# KiCad board Sofle_Pico.kicad_pcb
date: 2024-01-08; rev: v3.5.4
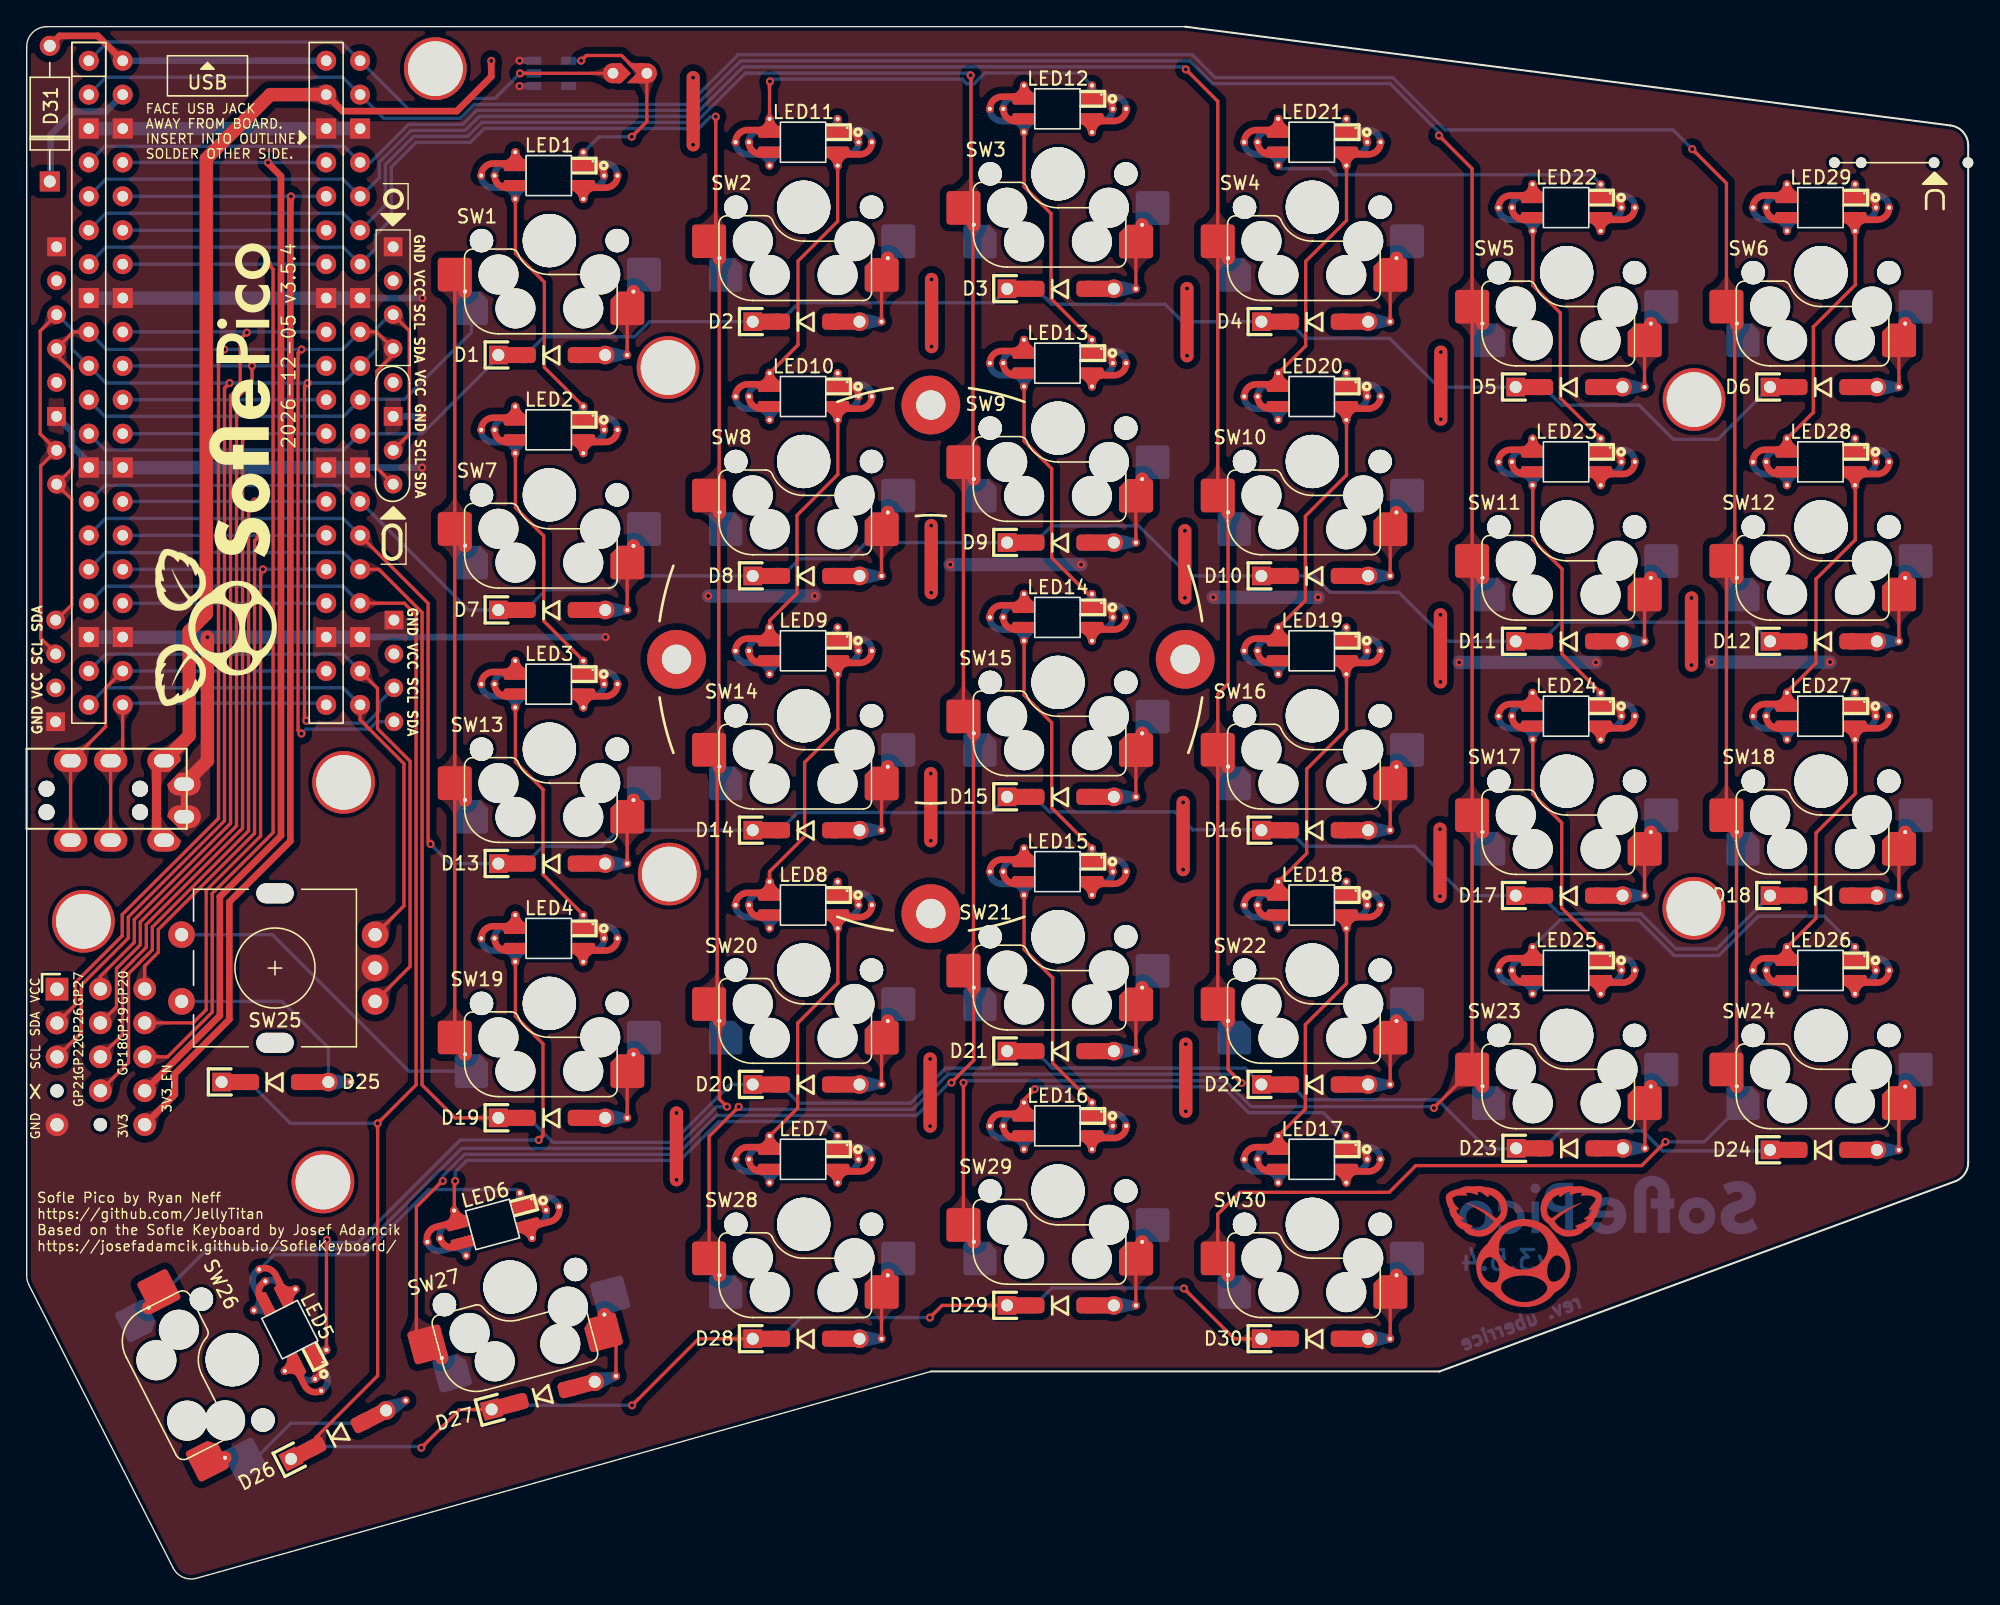
[diagram p0: board, top side]
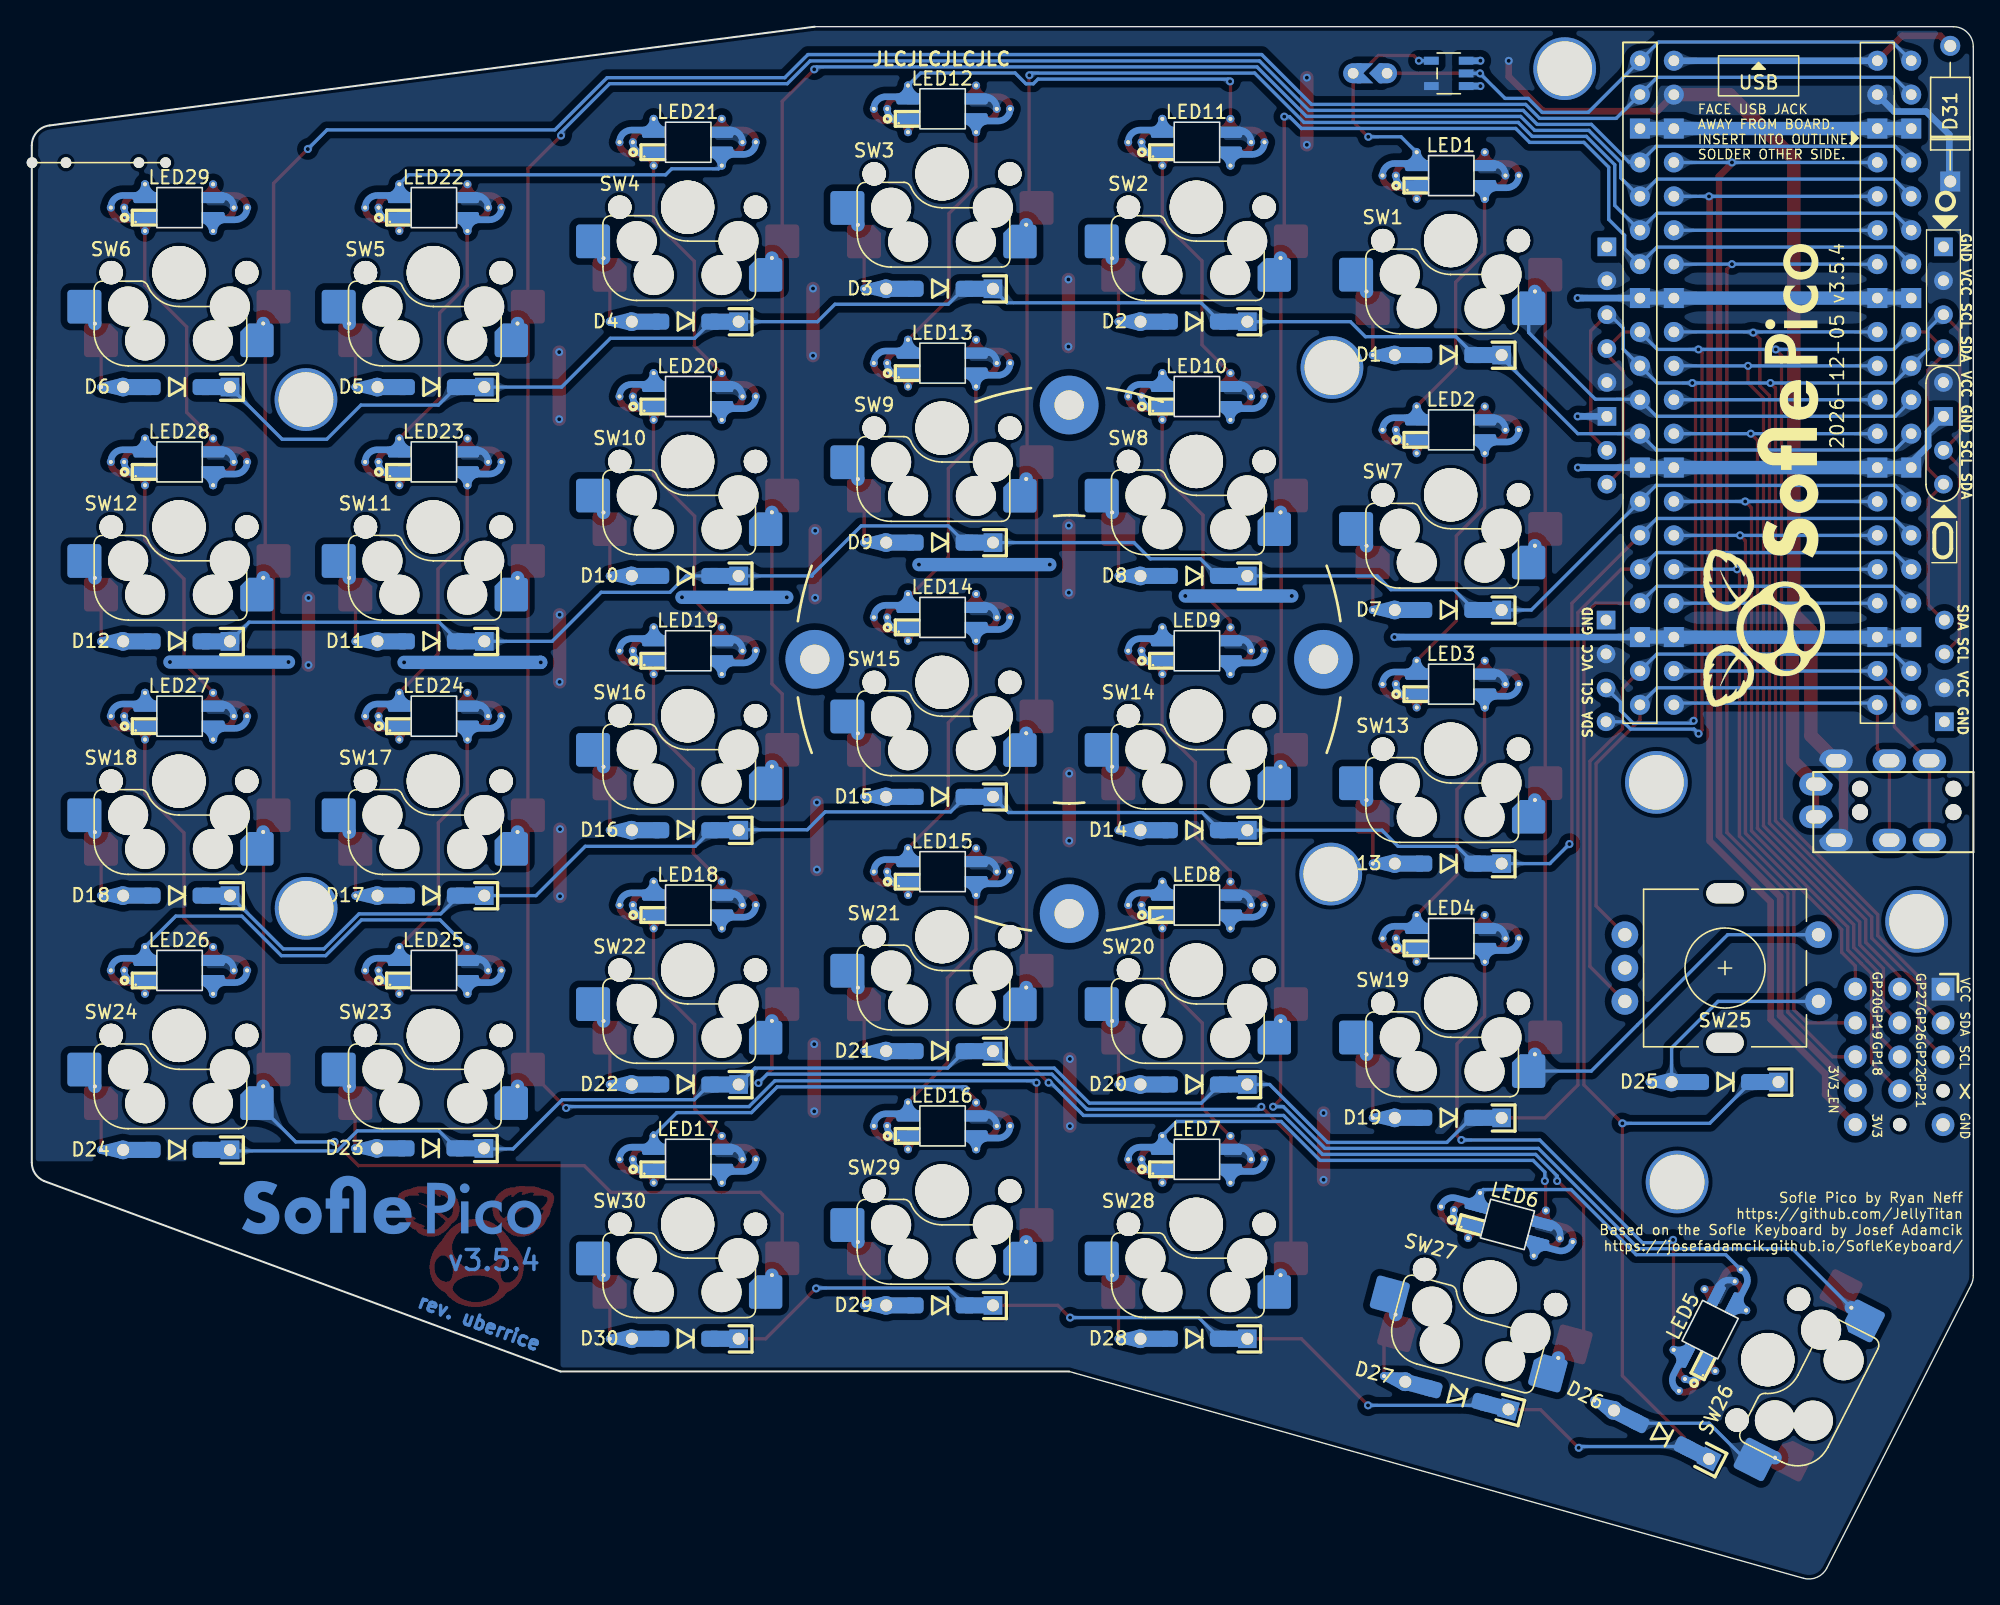
[diagram p1: board, bottom side, seen from below]

Outline 145.42 x 116.25 mm; copper layers: Top, Bottom. Coordinates in mm from the lower left corner of the outline.
Outline path: 0,114.75 0,22.69 arc(0.04,22.33) 0.16,21.98 10.97,0.77 arc(11.7,0.07) 12.71,0 67.72,15.5 105.82,15.5 144.52,29.77 arc(145.17,30.32) 145.42,31.15 145.42,107.35 arc(145.04,108.35) 144.09,108.85 86.77,116.25 1.5,116.25 arc(0.44,115.81) 0,114.75
Stack: Top 0.035mm / dielectric 1.51mm FR4 er 4.5 / Bottom 0.035mm

## Placement (name value [footprint] x y rotation side)
D1  D  [D_SOD-123_DO-35_Hybrid_DoubleSided_V2]  39.33 91.65 0 bottom
D2  D  [D_SOD-123_DO-35_Hybrid_DoubleSided_V2]  58.38 94.15 0 bottom
D3  D  [D_SOD-123_DO-35_Hybrid_DoubleSided_V2]  77.43 96.61 0 bottom
D4  D  [D_SOD-123_DO-35_Hybrid_DoubleSided_V2]  96.48 94.15 0 bottom
D5  D  [D_SOD-123_DO-35_Hybrid_DoubleSided_V2]  115.53 89.25 0 bottom
D6  D  [D_SOD-123_DO-35_Hybrid_DoubleSided_V2]  134.58 89.25 0 bottom
D7  D  [D_SOD-123_DO-35_Hybrid_DoubleSided_V2]  39.33 72.55 0 bottom
D8  D  [D_SOD-123_DO-35_Hybrid_DoubleSided_V2]  58.38 75.1 0 bottom
D9  D  [D_SOD-123_DO-35_Hybrid_DoubleSided_V2]  77.43 77.6 0 bottom
D10  D  [D_SOD-123_DO-35_Hybrid_DoubleSided_V2]  96.48 75.1 0 bottom
D11  D  [D_SOD-123_DO-35_Hybrid_DoubleSided_V2]  115.53 70.2 0 bottom
D12  D  [D_SOD-123_DO-35_Hybrid_DoubleSided_V2]  134.58 70.2 0 bottom
D13  D  [D_SOD-123_DO-35_Hybrid_DoubleSided_V2]  39.33 53.55 0 bottom
D14  D  [D_SOD-123_DO-35_Hybrid_DoubleSided_V2]  58.38 56.05 0 bottom
D15  D  [D_SOD-123_DO-35_Hybrid_DoubleSided_V2]  77.43 58.55 0 bottom
D16  D  [D_SOD-123_DO-35_Hybrid_DoubleSided_V2]  96.48 56.05 0 bottom
D17  D  [D_SOD-123_DO-35_Hybrid_DoubleSided_V2]  115.53 51.15 0 bottom
D18  D  [D_SOD-123_DO-35_Hybrid_DoubleSided_V2]  134.58 51.15 0 bottom
D19  D  [D_SOD-123_DO-35_Hybrid_DoubleSided_V2]  39.33 34.5 0 bottom
D20  D  [D_SOD-123_DO-35_Hybrid_DoubleSided_V2]  58.38 37 0 bottom
D21  D  [D_SOD-123_DO-35_Hybrid_DoubleSided_V2]  77.43 39.5 0 bottom
D22  D  [D_SOD-123_DO-35_Hybrid_DoubleSided_V2]  96.48 37 0 bottom
D23  D  [D_SOD-123_DO-35_Hybrid_DoubleSided_V2]  115.56 32.21 0 bottom
D24  D  [D_SOD-123_DO-35_Hybrid_DoubleSided_V2]  134.58 32.1 0 bottom
D25  D  [D_SOD-123_DO-35_Hybrid_DoubleSided_V2]  18.6 37.18 0 bottom
D26  D  [D_SOD-123_DO-35_Hybrid_DoubleSided_V2]  23.35 10.76 27 bottom
D27  D  [D_SOD-123_DO-35_Hybrid_DoubleSided_V2]  38.68 13.69 15 bottom
D28  D  [D_SOD-123_DO-35_Hybrid_DoubleSided_V2]  58.38 17.95 0 bottom
D29  D  [D_SOD-123_DO-35_Hybrid_DoubleSided_V2]  77.43 20.45 0 bottom
D30  D  [D_SOD-123_DO-35_Hybrid_DoubleSided_V2]  96.48 17.95 0 bottom
D31  1N5817  [D_DO-41_SOD81_P10.16mm_Horizontal]  1.73 104.65 90 top
J1  Conn_01x05  [Pimaroni_PinHeader_1x05_P2.54mm_Vertical Sofle v3b]  2.27 44.14 0 top
J2  -  [MJ-4PP-9]  -0.01 59.15 90 top
J3  Conn_01x04  [OLED SSD1306 128x64]  14.81 95.95 270 top
J4  Conn_01x04  [Cirque tie in]  27.48 68.02 270 top
J5  Conn_01x05  [PinHeader_1x05_P2.54mm_Vertical_one-dead]  5.52 44.15 0 top
J6  Conn_01x05  [PinHeader_1x05_P2.54mm_Vertical]  8.84 44.15 0 top
J7  Conn_01x04  [Cirque tie in]  2.2 67.94 90 top
JP1  Level shifter bypass jumper  [Level Shifter Bypass Jumper]  45.18 112.76 0 top
LED1  SK6803 MINI-E  [SK6803_MINIE_v3.5.4]  39.13 105.09 180 bottom
LED2  SK6803 MINI-E  [SK6803_MINIE_v3.5.4]  39.13 86.04 180 bottom
LED3  SK6803 MINI-E  [SK6803_MINIE_v3.5.4]  39.13 66.99 180 bottom
LED4  SK6803 MINI-E  [SK6803_MINIE_v3.5.4]  39.13 47.94 180 bottom
LED5  SK6803 MINI-E  [SK6803_MINIE_v3.5.4]  19.72 18.6 117 bottom
LED6  SK6803 MINI-E  [SK6803_MINIE_v3.5.4]  34.92 26.52 195 bottom
LED7  SK6803 MINI-E  [SK6803_MINIE_v3.5.4]  58.18 31.39 180 bottom
LED8  SK6803 MINI-E  [SK6803_MINIE_v3.5.4]  58.18 50.44 180 bottom
LED9  SK6803 MINI-E  [SK6803_MINIE_v3.5.4]  58.18 69.49 180 bottom
LED10  SK6803 MINI-E  [SK6803_MINIE_v3.5.4]  58.18 88.54 180 bottom
LED11  SK6803 MINI-E  [SK6803_MINIE_v3.5.4]  58.18 107.59 180 bottom
LED12  SK6803 MINI-E  [SK6803_MINIE_v3.5.4]  77.23 110.09 180 bottom
LED13  SK6803 MINI-E  [SK6803_MINIE_v3.5.4]  77.23 91.04 180 bottom
LED14  SK6803 MINI-E  [SK6803_MINIE_v3.5.4]  77.23 71.99 180 bottom
LED15  SK6803 MINI-E  [SK6803_MINIE_v3.5.4]  77.23 52.94 180 bottom
LED16  SK6803 MINI-E  [SK6803_MINIE_v3.5.4]  77.23 33.89 180 bottom
LED17  SK6803 MINI-E  [SK6803_MINIE_v3.5.4]  96.28 31.39 180 bottom
LED18  SK6803 MINI-E  [SK6803_MINIE_v3.5.4]  96.28 50.44 180 bottom
LED19  SK6803 MINI-E  [SK6803_MINIE_v3.5.4]  96.28 69.49 180 bottom
LED20  SK6803 MINI-E  [SK6803_MINIE_v3.5.4]  96.28 88.54 180 bottom
LED21  SK6803 MINI-E  [SK6803_MINIE_v3.5.4]  96.28 107.59 180 bottom
LED22  SK6803 MINI-E  [SK6803_MINIE_v3.5.4]  115.33 102.69 180 bottom
LED23  SK6803 MINI-E  [SK6803_MINIE_v3.5.4]  115.33 83.64 180 bottom
LED24  SK6803 MINI-E  [SK6803_MINIE_v3.5.4]  115.33 64.59 180 bottom
LED25  SK6803 MINI-E  [SK6803_MINIE_v3.5.4]  115.33 45.54 180 bottom
LED26  SK6803 MINI-E  [SK6803_MINIE_v3.5.4]  134.38 45.54 180 bottom
LED27  SK6803 MINI-E  [SK6803_MINIE_v3.5.4]  134.38 64.59 180 bottom
LED28  SK6803 MINI-E  [SK6803_MINIE_v3.5.4]  134.38 83.64 180 bottom
LED29  SK6803 MINI-E  [SK6803_MINIE_v3.5.4]  134.38 102.69 180 bottom
NOREF  -  [e4819d78-7681-430c-a61d-7ce8f9aac4b4]  20.82 107.34 180 top
NOREF#2  -  [e4819d78-7681-430c-a61d-7ce8f9aac4b4]  8.73 107.39 0 bottom
REF**  -  [Sofle Pico logo w text]  14.18 82.68 90 top
REF**#2  Tenting Puck  [Tenting_Puck.kicad_mod_nocenter_v2]  67.72 68.85 0 top
REF**#3  -  [sofle diode jig]  145.4 106.06 0 top
REF**#4  -  [Sofle Pico Logo copper]  112.15 24.86 0 top
REF**#5  -  [Sofle Pico logo w text]  15.67 82.63 90 bottom
REF**#6  -  [Sofle Pico Logo text only]  118.47 27.97 180 bottom
SW1  SW_PUSH_LED  [Cherry_MX_DS_Hotswap_v3.5.4]  39.15 100.22 0 bottom
SW2  SW_PUSH_LED  [Cherry_MX_DS_Hotswap_v3.5.4]  58.2 102.72 0 bottom
SW3  SW_PUSH_LED  [Cherry_MX_DS_Hotswap_v3.5.4]  77.25 105.22 0 bottom
SW4  SW_PUSH_LED  [Cherry_MX_DS_Hotswap_v3.5.4]  96.3 102.72 0 bottom
SW5  SW_PUSH_LED  [Cherry_MX_DS_Hotswap_v3.5.4]  115.35 97.82 0 bottom
SW6  SW_PUSH_LED  [Cherry_MX_DS_Hotswap_v3.5.4]  134.4 97.82 0 bottom
SW7  SW_PUSH_LED  [Cherry_MX_DS_Hotswap_v3.5.4]  39.15 81.17 0 bottom
SW8  SW_PUSH_LED  [Cherry_MX_DS_Hotswap_v3.5.4]  58.2 83.67 0 bottom
SW9  SW_PUSH_LED  [Cherry_MX_DS_Hotswap_v3.5.4]  77.25 86.17 0 bottom
SW10  SW_PUSH_LED  [Cherry_MX_DS_Hotswap_v3.5.4]  96.3 83.67 0 bottom
SW11  SW_PUSH_LED  [Cherry_MX_DS_Hotswap_v3.5.4]  115.35 78.77 0 bottom
SW12  SW_PUSH_LED  [Cherry_MX_DS_Hotswap_v3.5.4]  134.4 78.77 0 bottom
SW13  SW_PUSH_LED  [Cherry_MX_DS_Hotswap_v3.5.4]  39.15 62.12 0 bottom
SW14  SW_PUSH_LED  [Cherry_MX_DS_Hotswap_v3.5.4]  58.2 64.62 0 bottom
SW15  SW_PUSH_LED  [Cherry_MX_DS_Hotswap_v3.5.4]  77.25 67.12 0 bottom
SW16  SW_PUSH_LED  [Cherry_MX_DS_Hotswap_v3.5.4]  96.3 64.62 0 bottom
SW17  SW_PUSH_LED  [Cherry_MX_DS_Hotswap_v3.5.4]  115.35 59.72 0 bottom
SW18  SW_PUSH_LED  [Cherry_MX_DS_Hotswap_v3.5.4]  134.4 59.72 0 bottom
SW19  SW_PUSH_LED  [Cherry_MX_DS_Hotswap_v3.5.4]  39.15 43.07 0 bottom
SW20  SW_PUSH_LED  [Cherry_MX_DS_Hotswap_v3.5.4]  58.2 45.57 0 bottom
SW21  SW_PUSH_LED  [Cherry_MX_DS_Hotswap_v3.5.4]  77.25 48.07 0 bottom
SW22  SW_PUSH_LED  [Cherry_MX_DS_Hotswap_v3.5.4]  96.3 45.57 0 bottom
SW23  SW_PUSH_LED  [Cherry_MX_DS_Hotswap_v3.5.4]  115.35 40.67 0 bottom
SW24  SW_PUSH_LED  [Cherry_MX_DS_Hotswap_v3.5.4]  134.4 40.67 0 bottom
SW25  Rotary_Encoder_Switch-Device  [RotaryEncoder_Alps_EC11E-Switch_Vertical_H20mm-keebio_modified]  18.6 45.72 180 top
SW26  SW_PUSH_LED  [Cherry_MX_DS_Hotswap_v3.5.4]  15.39 16.38 297 bottom
SW27  SW_PUSH_LED  [Cherry_MX_DS_Hotswap_v3.5.4]  36.2 21.82 15 bottom
SW28  SW_PUSH_LED  [Cherry_MX_DS_Hotswap_v3.5.4]  58.2 26.52 0 bottom
SW29  SW_PUSH_LED  [Cherry_MX_DS_Hotswap_v3.5.4]  77.25 29.02 0 bottom
SW30  SW_PUSH_LED  [Cherry_MX_DS_Hotswap_v3.5.4]  96.3 26.52 0 bottom
TH1  HOLE  [Hole from sofle for M2 posts gold rimmer wide-keyplate-hole]  4.25 49.22 0 top
TH2  HOLE  [Hole from sofle for M2 posts gold rimmer wide-keyplate-hole]  23.74 59.63 0 top
TH3  HOLE  [Hole from sofle for M2 posts gold rimmer]  48.04 90.71 0 top
TH4  HOLE  [Hole from sofle for M2 posts gold rimmer]  124.89 88.31 0 top
TH5  HOLE  [Hole from sofle for M2 posts gold rimmer]  48.13 52.76 0 top
TH6  HOLE  [Hole from sofle for M2 posts gold rimmer]  124.87 50.2 0 top
TH7  HOLE  [Hole from sofle for M2 posts gold rimmer wide-keyplate-hole]  30.61 113.1 0 top
TH8  HOLE  [Hole from sofle for M2 posts gold rimmer]  22.19 29.69 0 top
U1  -  [SN74AHCT1G125]  39.29 112.75 0 bottom
U2  Pico  [RPi_Pico_SMD_TH_DS]  14.81 89.57 0 top

## Library data of the parts
D31 = -: Description: 20V 1A Schottky Barrier Rectifier Diode, DO-41
J1 J5 J6 = -: Description: Generic connector, single row, 01x05, script generated (kicad-library-utils/schlib/autogen/connector/)
J3 J4 J7 = -: Description: Generic connector, single row, 01x04, script generated (kicad-library-utils/schlib/autogen/connector/)
JP1 = -: Description: Solder Jumper, 2-pole, open
TH1-TH8 = -: Description: Mounting Hole without connection
U1 = -: Description: SN74AHCT1G125 Buffer Gate SOT-23

## Footprints (pads in the part's own frame, mm; a bottom-side part is the same pattern mirrored in y, then rotated)
Cherry_MX_DS_Hotswap_v3.5.4
  round 1.75 hole 1.75 unplated: (-5.08,0) (-5.08,0) (5.08,0) (5.08,0)
  round 3 hole 3 unplated: (-3.81,2.54) (-2.54,5.08) (2.54,5.08) (3.81,2.54)
  round 3.988 hole 3.988 unplated: (0,0) (0,0)
  rrect 2.55x2.52 smd far side: 1(-7.085,2.55) 2(5.842,5.07)
  round 1 hole 0.3: 1(-6.31,3.81) 2(6.3,3.82)
  rrect 2.5x2.52 smd: 1(-5.842,5.07)
  rrect 2.55x2.53 smd: 2(7.085,2.555)
Cirque tie in
  round 1.397 hole 0.813: 1(3.85,0.03) 2(1.31,0.03) 3(-1.23,0.03)
  rect 1.397x1.397 hole 0.813: 4(-3.77,0.03)
D_DO-41_SOD81_P10.16mm_Horizontal
  rect 1.5x1.5 hole 0.9: 1(0,0)
  oval 1.5x1.5 hole 0.9: 2(10.16,0)
D_SOD-123_DO-35_Hybrid_DoubleSided_V2
  rect 1.4x1.4 hole 0.9: 1(-4,0)
  rect 1.6x1.2 smd far side: 1(-2.75,0)
  rect 1.6x1.2 smd: 1(-2.7,0)
  rrect 1.5x1.2 smd: 1(-1.95,0)
  rrect 1.4x1.2 smd far side: 1(-1.9,0) 2(1.9,0)
  rrect 1.4x1.2 smd: 2(1.9,0)
  rect 2.12x1.2 smd: 2(2.96,0)
  rect 2.14x1.2 smd far side: 2(2.97,0)
  round 1.4 hole 0.9: 2(4,0)
  round 0.6 hole 0.3: 2(5.65,0)
  custom 2.23x1.39 smd: 2(5.65,0)
Hole from sofle for M2 posts gold rimmer
  round 4.7 hole 4.1: (0,0)
Hole from sofle for M2 posts gold rimmer wide-keyplate-hole
  round 4.7 hole 4.1: (0,0)
Level Shifter Bypass Jumper
  rrect 1.5x1.5 hole 0.8: 1(-1.27,0) 2(1.27,0)
  custom 1x1.5 smd: 1(-0.42,0)
  custom 1x1.5 smd far side: 1(-0.42,0)
  custom 1.25x1.5 smd: 2(0.75,0)
  custom 1.25x1.5 smd far side: 2(0.75,0)
MJ-4PP-9
  round 1.2 hole 1.2 unplated: (-1.75,-1.5) (-1.75,-8.5) (0,-1.5) (0,-8.5)
  rrect 1.7x2.5 hole 1x1.5: 1(-2.1,-11.8) 1(0.35,-11.8) 2(-3.85,-10.3) 2(2.1,-10.3)
  oval 1.7x2.5 hole 1x1.5: 3(-3.85,-6.3) 3(2.1,-6.3) 4(-3.85,-3.3) 4(2.1,-3.3)